# Altium PCB BEE_BOARD.PcbDoc (part 3 of 3)
Units mil, origin at the board's own origin, x right, y up, seen from the top; angles counter-clockwise.
Board outline 2248.55 x 2045.74 mil, 8 copper layers (Top, GND_1, Signal_1, GND_2, PWR, Signal_2, GND_3, Bottom), stack 62.994 mil thick; 173 components, 97 nets, 605 pads, 295 vias.
Unrouted connection lines stored in the file: 10.
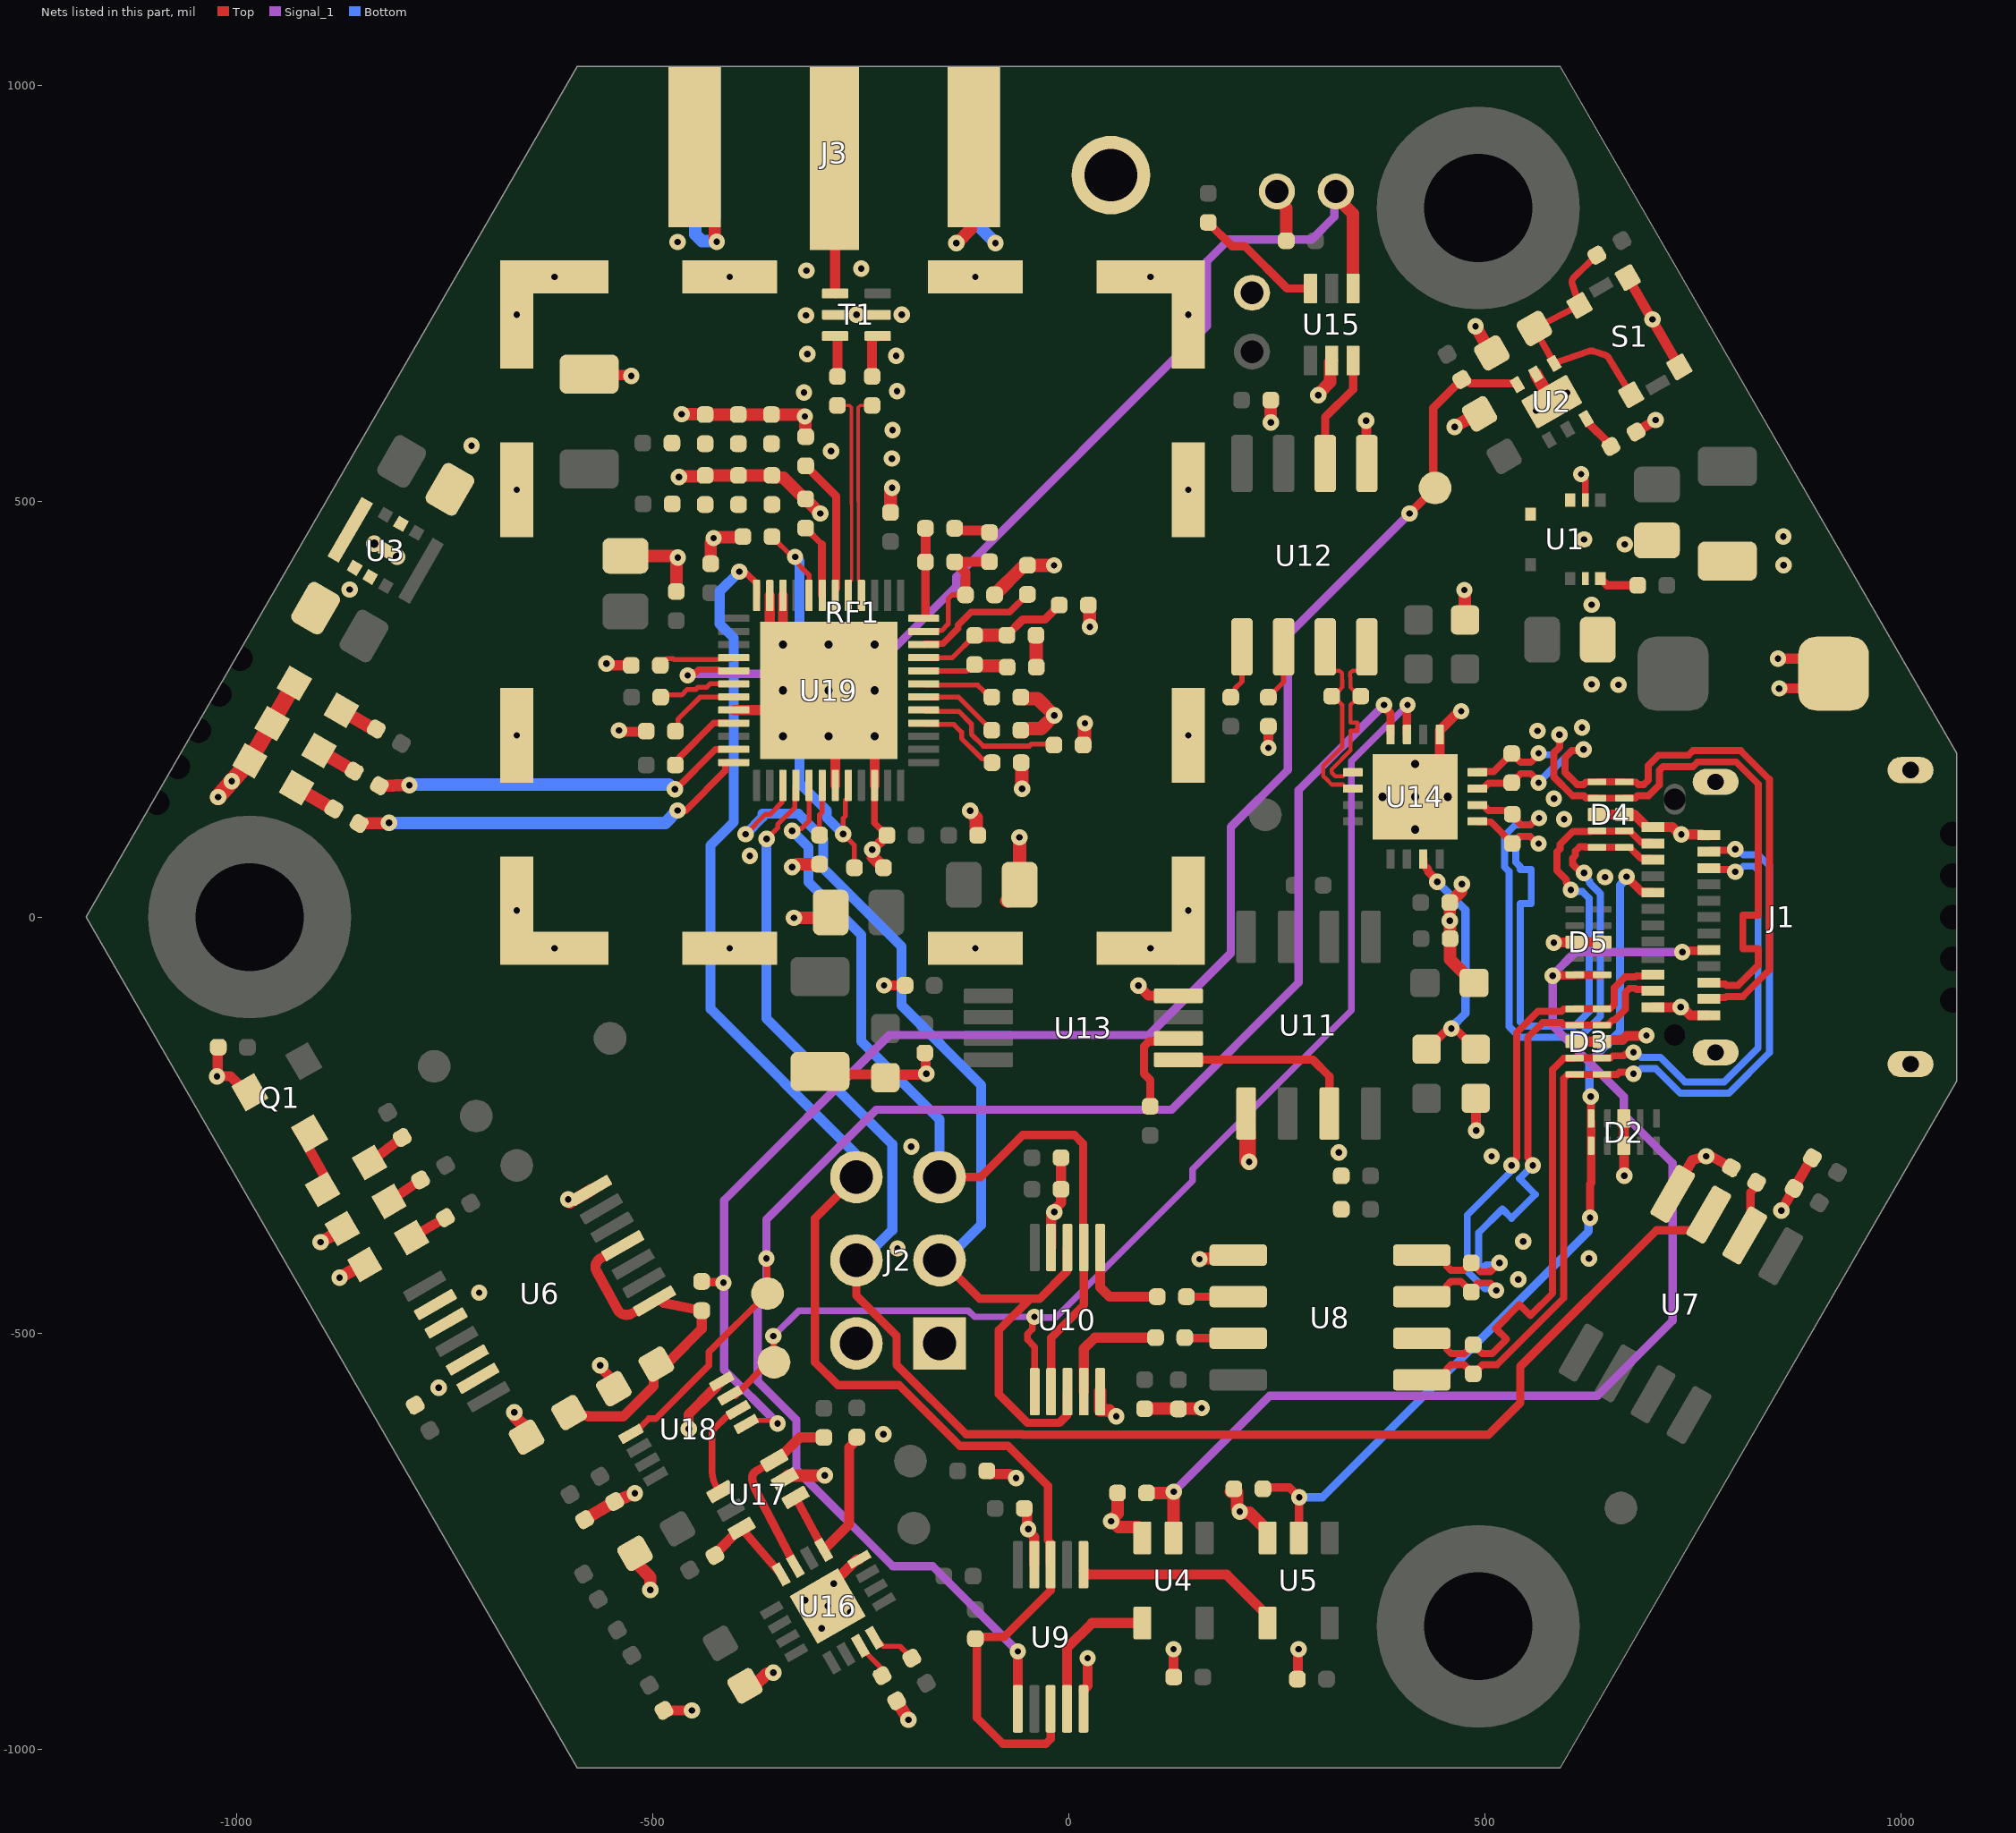
[diagram p9: the nets of this part, all layers, seen from the top]

## Via types
v1: diameter 19.68, hole 7.87, Top to Bottom, tented both sides, 276 vias
v2: diameter 19.68, hole 9.84, Top to Bottom, tented both sides, 16 vias
v3: diameter 19.68, hole 7.87, Top to Bottom, tented top, 3 vias

## Nets (pads, with @x,y where several pads share a name; then routed paths per layer and width w, separated by ;. In a path a pad name is that pad's centre, name@x,y a point inside that pad or via, vN(x,y) a via of type N, cw(c..) or ccw(c..) an arc to the next point about the centre after c; other vN are vias at no path point) (continued)
GND: C1.1 C2.2 C3.1 C4.2 C5.1 C6.1 C7.1 C8.1 C9.1 C10.1 C11.1 C12.2 C13.1 C14.1 C15.1 C16.1 C17.1 C19.2 C20.2 C21.1 C22.1 C23.1 C24.2 C25.1 C26.1 C27.2 C28.1 C29.1 C30.1 C31.2 C32.2 C33.2 C34.1 C35.1 C36.1 C37.1 C38.1 C39.1 C40.1 C41.1 C42.1 C43.1 C44.1 C45.1 C46.1 C47.1 C48.1 C49.1 C50.1 C51.1 C52.1 C53.1 C54.1 C55.1 C56.1 C57.1 C58.1 C61.1 C62.1 C63.1 C64.2 C65.1 C66.1 CLK.1 D1.2 D2.3 D2.8 D3.3 D3.8 D4.3 D4.8 D5.3 D5.8 D6.K D7.K D9.K D10.K D11.K GND.1 J1.1 J1.2 J1.3 J1.4 J1.A1 J1.A12 J1.B1 J1.B12 J2.1 J2.2 J3.2 J3.3 J3.4 J3.5 Q1.2 R3.2 R7.1 R9.2 R12.2 R14.1 R16.1 R20.2 R26.1 R27.2 R31.1 R35.1 RF1.1 S1.1 S1.2 SYNC.1 T1.2 T1.5 U1.2 U1.5 U1.7 U2.5 U2.7 U3.2 U3.5 U3.9 U4.3 U5.3 U6.7 U6.9 U6.10 U6.12 U6.13 U7.4 U8.5 U9.5 U9.9 U10.5 U10.9 U11.5 U12.5 U13.4 U14.5 U14.17 U15.2 U16.12 U16.17 U17.2 U18.4 U19.22 U19.23 U19.32 U19.43 U19.46 U19.49 | length 5862.6
  Top w8: U19.46@-233.3,158.41 -233.3,113.19 C49.1@-218.42,98.31 ; v1(615.95,532.58) 615.95,531.04 620.87,526.11 U1.2@620.87,501.33
  Top w12: R3.2@-1022.07,-156.35 -1022.87,-157.15 -1022.87,-190.54 v1(-1023.67,-191.34) -1007.7,-191.34 -988.45,-210.59 Q1.2@-984.17,-210.59 ; D7.K@-883.21,-374.39 D7.K@-873.06,-374.39 ; C19.2@-651.53,-625.1 C19.2@-651.28,-624.85 ; C36.1@-576.3,652.83 -575.17,651.71 -526.92,651.71 v1(-525.79,650.58) ; v1(-563.24,-538.76) -563.24,-540.84 -546.76,-557.32 C20.2@-546.76,-566.92 ; v1@-556.95,302.66 C64.2@-525.79,302.66 ; v1@-540,222.93 -506.58,222.93 C58.1@-505.87,223.64 ; v1@-539.29,224.48 v1@-538.59,225.19 ; C33.2@-521.21,-764.89 C33.2@-518.98,-767.12 ; R31.1@-486.43,-953.63 v1(-452.94,-953.63) ; v1(-456.78,-615.23) -456.78,-597.6 -428.13,-568.96 -427.31,-568.49 U18.4@-416.99,-558.16 ; U19.32@-402.59,248.96 -312.04,248.96 v2(-288.42,272.59) ; C32.2@-389.11,-924.12 C32.2@-377.77,-924.12 ; v1@-363.06,-909.42 -356.17,-909.42 v1(-355.07,-908.32) ; U19.23@-359.29,386.76 -359.29,343.45 v2(-343.54,327.7) ; U19.22@-343.54,386.76 v2(-343.54,327.7) ; v1(-332.5,60.05) -330.42,60.05 v1@-326.84,63.63 ; v1(-289.57,-828.21) -289.57,-807.26 -254.44,-772.13 U16.12@-251.49,-772.13 ; U19.43@-280.55,158.41 U19.49@-280.55,264.71 ; U19.46@-233.3,158.41 v2(-233.3,217.47) U19.49@-280.55,264.71 ; RF1.1@-138,-45.5 RF1.1@-125.03,-32.53 ; R26.1@-97.9,-664.73 cw(c-99.43,-664.73) R26.1@-98.35,-665.81 -94.62,-669.54 -70.35,-669.54 -65.44,-674.44 v1(-63.36,-674.44) ; C16.1@-53.47,-710.81 -50.13,-714.15 -50.13,-734.1 v1(-48.66,-735.57) -48.66,-737.65 -41.43,-744.88 -41.43,-778.45 U9.9@-41.34,-778.54 ; U10.9@-21.18,-397.27 -21.08,-397.17 -21.08,-358.33 v1(-17.32,-354.57) -17.32,-351.47 -9.21,-343.37 C21.1@-9.21,-289.2 ; U9.5@17.81,-929.23 22.83,-924.21 v1(22.83,-890.73) ; v1(83.72,-82.18) 95.89,-94.35 131.53,-94.35 U13.4@131.81,-94.63 ; v1(98.43,-37.4) 118.12,-37.4 RF1.1@131.81,-51.09 ; v1(125.95,-880.09) 126.08,-880.22 126.08,-913.33 C10.1@126.2,-913.46 ; U8.5@203.31,-406.68 U8.5@203.73,-406.26 ; v1(239.97,203.44) R20.2@239.96,229.39 ; C25.1@242.86,621.61 C25.1@242.91,621.56 ; v1@242.91,594.61 v1(242.95,594.56) ; C9.1@274.89,-916.06 275.65,-915.29 275.65,-880.86 v1(276.42,-880.09) ; v1(357.47,596.92) 357.87,596.53 357.87,545.67 U12.5@358.27,545.28 ; v2(416.34,144.69) 416.34,155.85 445.87,185.38 U14.5@445.87,219.49 445.87,224.22 467.7,246.05 470.29,246.05 v1(471.76,247.52) ; v1(475.49,393.27) v1@475.94,392.82 ; R16.1@475.94,357.7 R16.1@476.38,357.26 ; R14.1@489.18,-217.9 489.48,-218.2 489.48,-256.3 v1(489.78,-256.6) ; C4.2@493.82,605.03 C4.2@497.78,608.99 ; v1(583.09,-30.69) 583.46,-30.33 607.94,-30.33 D5.8@608.3,-29.96 D5.3@641.18,-29.96 ; D3.8@608.11,-149.59 D3.3@640.98,-149.59 642.86,-147.72 665.56,-147.72 670.52,-142.76 693.81,-142.76 v1(694.36,-142.21) ; D4.3@634.91,123.32 D4.8@667.78,123.32 679.62,123.32 694.68,108.27 J1.A12@702.36,108.27 702.46,108.17 725.38,108.17 734.14,99.41 v1(736.22,99.41) 760.62,99.41 761.61,98.42 J1.B1@769.29,98.42 ; C5.1@635.86,333.66 C5.1@638.73,330.8 ; D2.3@667.17,-241.98 D2.8@667.17,-274.86 667.48,-275.16 667.48,-310.68 v1(667.78,-310.99) ; S1.1@671.95,768.86 705.11,711.43 S1.2@733.95,661.46 ; C6.1@681.88,583.3 v1(705.49,597.63) ; J1.A1@702.36,-108.27 737.54,-108.27 747.28,-118.02 769.2,-118.02 J1.B12@769.29,-118.11 ; C3.1@704.8,455.14 C3.1@706.99,452.95 ; U7.4@725.91,-332.61 726.19,-332.53 749.68,-291.85 770.48,-286.28 R7.1@796.42,-301.26 ; J1.1@777.56,-162.6 J1.1@788.97,-162.6 ; C1.1@791.18,428.4 C1.1@791.59,427.98 ; v1(852.56,310.84) 901.19,310.84 D1.2@919.29,292.74 901.46,274.91 v1(853.98,274.91) ; v1(856.35,-352.79) C11.1@871.81,-326.03 891.14,-292.54 C14.1@893.72,-289.41 ; v2(-343.54,327.7) v2(-288.42,272.59) ; v2(-288.42,272.59) U19.49@-280.55,264.71
  Top w12.01: C40.1@-298.87,-185.54 -295.19,-189.23 -216.68,-189.23 -216.64,-189.27 -173.76,-189.27 -172.02,-187.53 -172.02,-164.21 C28.1@-172.92,-163.31 ; C45.1@-292.3,-0.8 C45.1@-285.99,5.51 ; v1(-236.13,81.19) -235.55,81.19 C49.1@-218.42,98.31 ; v1(-221.96,-82.01) C26.1@-196.67,-82.01
  Top w15: v1(-899.24,-390.79) -879.65,-379.47 D7.K@-873.06,-374.39 ; v1(-876.4,-433.48) -853.85,-420.46 D6.K@-845.95,-417.64 ; v1(-666.34,-595.45) -665.45,-596.35 -665.45,-600.73 -651.53,-614.64 C19.2@-651.53,-625.1 ; v1(-601.47,-339.39) -601.47,-340.87 -599.43,-342.91 U6.7@-574.48,-328.46 ; C34.1@-581.8,-724.34 C35.1@-545.74,-702.57 v1(-521.45,-692.74) ; C62.1@-532.74,434.37 -473.49,434.37 -471.64,432.51 C66.1@-471.64,391.53 ; C33.2@-518.98,-767.12 -518.98,-777.57 -502.84,-793.71 v1(-502.84,-808.86) ; v1(-468.61,528.93) -467.56,529.97 -437.94,529.97 C48.1@-436.9,531.02 C51.1@-396.77,531.02 C53.1@-356.65,531.02 -354.15,528.52 -343.06,528.52 -319.74,505.19 -318.69,505.19 -298.69,485.19 v1(-298.47,485.19) ; v1(-465.18,604.63) -464.96,604.41 -437.11,604.41 C42.1@-436.9,604.19 C46.1@-397.06,604.19 C50.1@-357.23,604.19 -320.89,604.19 -318.66,601.96 v1(-317.12,601.96) -316.57,601.42 -316.57,578.16 C52.1@-316.03,577.61 ; J3.3@-449.44,925.89 -449.44,837.99 -448.75,837.3 -425.81,837.3 -425.44,836.93 -425.44,815.64 -422.99,813.19 v1(-422.99,811.92) ; C41.1@-430.25,424.99 -430.25,450.17 -426.76,453.66 v1(-426.76,455.74) -425.9,456.6 -392.52,456.6 C56.1@-391.65,457.47 ; C32.2@-377.77,-924.12 v1@-363.06,-909.42 ; U17.2@-341.1,-675.38 -337.16,-671.44 -293.61,-671.44 v1(-293.3,-671.13) ; v1(-330.31,-0.8) C45.1@-292.3,-0.8 ; v1@-326.84,63.63 C61.1@-299.45,63.63 ; v1(-236.13,81.19) -235.24,80.29 -235.24,72.1 C63.1@-222.51,59.38 ; R27.2@-206.86,-942.16 v1(-192.48,-964.97) ; v1(-135.21,810.22) -134.25,810.22 -117.43,827.04 -117.43,922.46 J3.2@-114,925.89 ; U10.5@37.88,-570.49 37.88,-592.94 37.97,-593.04 48.54,-593.04 55.59,-600.09 v1(57.14,-600.09) ; R12.2@58.57,-692.39 R12.2@58.66,-692.3 58.66,-716.99 50.99,-724.65 v1(50.99,-726.2) 52.54,-726.2 59.72,-733.38 83.72,-733.38 88.55,-738.2 U4.3@88.55,-746.23 ; C13.1@91.2,-590.94 159.16,-590.94 v1(159.84,-590.26) ; v1(157.23,-411.22) 158.13,-410.32 199.66,-410.32 U8.5@203.31,-406.68 ; R9.2@195.06,-690.75 R9.2@198.52,-687.3 202.52,-691.3 202.52,-710.16 205.55,-713.19 v1(205.55,-714.74) 206.65,-715.83 217.47,-715.83 239.02,-737.37 U5.3@239.02,-746.23 ; v1@242.91,594.61 C25.1@242.91,621.56 ; SYNC.1@250.15,872.36 250.15,863.89 261.48,852.57 C31.2@261.48,813.21 ; v1(299.98,627.41) 299.98,628.95 314.29,643.26 314.29,667.29 U15.2@316.16,669.16 ; C30.1@458.13,17.5 471.76,31.13 471.76,38.85 v1(472.66,39.74) ; C30.1@458.29,17.34 458.04,17.09 458.04,-4.25 v1(457.94,-4.34) 458.19,-4.59 458.19,-25.71 C29.1@458.44,-25.97 458.44,-50.91 486.69,-79.16 C27.2@487.19,-79.16 ; v1(463.79,589.46) 484.83,601.61 C4.2@493.82,605.03 ; R16.1@475.94,357.7 v1@475.94,392.82 ; v1(488.9,710.2) 502.9,685.96 C2.2@508.57,678.27 ; U2.5@561.32,652.95 574.42,630.26 U2.7@580.51,619.7
  Top w16: C47.1@-214.07,486.45 -214.07,513.84 -212.18,515.73 v1(-212.18,516.19) ; v1(-118.47,127.83) -118.47,126.83 -111.25,119.61 -111.25,100.31 C43.1@-109.25,98.31 ; C57.1@-89.06,387.39 -55.52,420.93 -51.6,420.93 C44.1@-49.6,422.93 v1(-17.64,422.93) ; C39.1@-74.55,19.51 -72.45,19.51 -58.95,33.01 C39.1@-58.95,39.01 -59.09,39.14 -59.09,95.71 v1(-59.23,95.85) ; C37.1@-57.45,224.62 -55.45,226.62 -33.19,226.62 v1(-17.32,242.5) -37.44,262.62 -55.45,262.62 C38.1@-57.45,264.62 ; C65.1@-57.09,185.72 -56.2,184.84 -56.2,154.68 v1(-55.87,154.35) ; R35.1@17.36,206.91 19.19,208.74 19.19,232.64 v1(19.52,232.97) ; C55.1@23.67,375.13 25.21,373.59 25.21,349.23 v1(25.54,348.9)
  Top w19.68: v1(-1022.38,144.37) -1003.31,166.16 D9.K@-984.22,187.96 -958.15,233.18 D11.K@-930.5,281.15
  Top w20: U11.5@213.32,-236.22 213.32,-257.12 214.54,-257.12 215.13,-257.72 215.13,-292.34 v1(216.94,-294.15)
  Bottom w12: v1@489.17,-255.99 v1(489.78,-256.6)
  Bottom w15: J3.5@-449.44,925.89 -448.75,925.2 -448.75,820.71 -440.86,812.82 -423.88,812.82 v1(-422.99,811.92) ; J3.4@-114,925.89 -112.15,924.04 -112.15,834.6 v1(-88.04,810.42) v1(-88.04,810.42)
  other v1: -296.78,-855.1 -262.68,-835.41 -316.46,-821 -282.37,-801.32 -222.72,-621.75 -757.25,-565.69 -708.61,-451.5 540.17,-435.58 625.3,-410.32 -205.83,-398.26 546.34,-389.97 508.28,-287.45 766.09,-287.45 324.73,-282.76 -189.21,-276 -171.12,-188.17 735.55,-108.27 -618.11,-37.4 -407.48,-37.4 -112.2,-37.4 -663.39,7.87 143.7,7.87 644.77,48 -383.19,73.78 595.37,117.78 583.16,142.61 -1005.91,163.39 -663.39,218.5 143.7,218.5 -540.35,224.48 563.42,223.97 617.01,227.83 660.91,279.3 628.44,279.93 -555.54,304.92 628.38,375.53 -864.25,393.92 859.12,423.11 -469.77,432.2 668.18,448.15 619.49,454.09 858.83,457.63 -663.39,513.78 143.7,513.78 -212.63,551.3 -285.78,560.31 -717.61,566.69 -211.75,585.55 561.76,608.88 -318.15,630.63 599.26,630.53 -206.39,632.48 -207.42,674.96 -314.23,676.81 701.56,718.64 -315.68,723.41 -663.39,724.41 -255.14,724.12 -200.61,724.12 143.7,724.41 -618.11,769.68 -407.48,769.68 -112.2,769.68 98.43,769.68 -315.26,777.23 -249.28,779.71 -470.16,811.71
  other v2: 416.34,105.31 376.97,144.69 455.71,144.69 416.34,184.06 -343.54,217.47 -288.42,217.47 -343.54,272.59 -233.3,272.65 -288.42,327.7 -233.3,327.7 -807.32,433.18 -834.59,448.92
LED_RX: R33.2 U19.36 | length 485.3
  Top w8: v1(-470.17,128.11) -460.45,128.11 -412.41,176.16 -412.41,184.64 -411.08,185.97 U19.36@-402.59,185.97
  Top w15: R33.2@-852.85,112.54 v1(-816.8,113.3)
  Bottom w15: v1(-816.8,113.3) -484.98,113.3 v1(-470.17,128.11)
LED_TX: R32.2 U19.35 | length 448.5
  Top w8: v1(-473.16,153.62) -472.4,153.62 -424.63,201.39 -402.92,201.39 U19.35@-402.59,201.72
  Top w15: R32.2@-828.45,157.97 v1(-792.41,158.73)
  Bottom w15: v1(-792.41,158.73) -791.69,159.45 -480.26,159.45 -474.43,153.62 v1(-473.16,153.62)
NetC2_1: C2.1 R40.1 S1.3 S1.4 U2.4 | length 305.3
  Top w8: 630.64,680.34 ccw(c628.19,672.72) 625.57,680.29 U2.4@583.48,665.74 C2.1@559.67,707.77 S1.3@613.98,735.4 605.36,760.94 cw(c612.94,763.5) 607.37,769.24 R40.1@634.76,795.81 ; 630.65,680.34 644.44,675.88 cw(c642,668.26) 648.82,672.44 S1.4@675.99,628
NetC6_2: C6.2 U2.3 | length 45.8
  Top w6: U2.3@621.87,596.84 U2.3@621.87,599.26 ; C6.2@651.57,565.8 C6.2@651.57,567.14
  Top w10: U2.3@621.87,596.84 C6.2@651.57,567.14
NetC19_1: C19.1 C20.1 R8.1 U6.1 U6.4 | length 430.1
  Top w12: C19.1@-600.44,-595.6 -596.66,-599.37 -578.77,-599.37 -577.93,-600.21 -535.35,-600.21 -498.95,-563.82 -498.95,-540.71 -491.39,-533.14 -479.19,-533.14 -441.08,-495.03 R8.1@-441.08,-472.99 -445.08,-472.16 -445.16,-472.16 -486.66,-463.68 -491.48,-458.86 U6.1@-497.71,-461.43 -527.2,-477.46 -528.92,-477.86 cw(c-531.61,-466.17) -542.16,-471.9 -567.24,-426.15 cw(c-556.72,-420.38) -562.97,-410.14 U6.4@-555.92,-405.83
NetC56_2: C56.2 C63.2 U19.20 U19.44 | length 559.5
  Top w6: C56.2@-356.65,457.47 -332.3,433.12 v1(-328.81,433.12) -330.68,433.12 -332.25,431.55 -312.04,411.34 U19.20@-312.04,386.76 ; U19.44@-264.8,158.41 -264.8,144.04 -268.2,140.64 -268.2,121.75 -270.97,118.98 v1(-270.97,99.91) -257.51,86.45 C63.2@-257.51,59.38
  Bottom w12: v1(-328.81,433.12) -323.7,428.01 -323.7,160.95 -290.74,128 -290.74,119.68 v1(-270.97,99.91)
NetC58_2: C58.2 U19.31 | length 92.8
  Top w6: C58.2@-470.87,223.64 -469.59,224.91 -469.59,237.71 -442.82,264.48 -430.03,264.48 -429.8,264.71 U19.31@-402.59,264.71
NetC59_1: C59.1 T1.4 | length 55.1
  Top w12: C59.1@-236.26,650.11 -236.26,698.43 -236.16,698.53 T1.4@-229.55,698.53
NetC60_1: C60.1 T1.3 | length 51.2
  Top w12: T1.3@-280.74,698.53 -278.01,698.53 -277.91,698.43 C60.1@-277.91,650.11
NetC61_2: C61.2 U19.42 | length 61.1
  Top w6: C61.2@-299.45,98.63 -299.45,123.14 -296.29,126.3 U19.42@-296.29,158.41
NetC64_1: C64.1 U19.28 | length 93
  Top w6: C64.1@-490.79,302.66 -482.88,310.58 -475.69,310.58 -474.6,309.49 -405.06,309.49 U19.28@-402.59,311.96
NetC65_2: C65.2 U19.4 | length 105.3
  Top w6: U19.4@-173.36,232.97 -172.03,231.64 -138,231.64 -128.8,222.44 -128.8,214.8 -107.63,193.62 -104.52,190.51 -96.87,190.51 C65.2@-92.09,185.72
NetC67_2: C67.2 R37.2 U19.12 | length 109.1
  Top w6: U19.12@-173.36,358.95 U19.12@-172.08,360.24
  Top w10: U19.12@-172.08,360.24 C67.2@-172.08,427.11
  Top w12: C67.2@-172.08,427.11 R37.2@-172.08,467.47
NetC68_2: C68.2 R36.2 | length 38.5
  Top w6: C68.2@-39.24,338.89 C68.2@-39.09,338.74 ; R36.2@-39.09,300.73 R36.2@-38.93,300.57
  Top w16: R36.2@-39.09,300.73 C68.2@-39.09,338.74
NetC69_1: C69.1 R36.1 U19.8 | length 104
  Top w6: U19.8@-173.36,295.96 -122.42,295.96 -114.65,303.74 C69.1@-113.02,303.74 C69.1@-111.44,302.15 ; R36.1@-75.51,302.15 R36.1@-73.93,300.57
  Top w16: C69.1@-111.44,302.15 R36.1@-75.51,302.15
NetC70_2: C70.2 R37.1 | length 43.9
  Top w6: R37.1@-137.08,467.47 R37.1@-134.5,464.9 ; C70.2@-97.88,464.9 C70.2@-95.31,462.32
  Top w12: R37.1@-134.5,464.9 C70.2@-97.88,464.9
NetD6_A: D6.A R1.1 | length 47.1
  Top w12: D6.A@-789.7,-385.16 R1.1@-749.12,-361.31
NetD7_A: D7.A R2.1 | length 45.8
  Top w12: D7.A@-816.8,-341.91 R2.1@-779.1,-315.93
NetD8_A: D8.A R4.2 | length 49.5
  Top w12: D8.A@-840.36,-294.99 R4.2@-801.08,-264.93
NetD8_K: D8.K Q1.3 | length 73.8
  Top w12: Q1.3@-912.41,-260.08 -915,-275.1 -893.05,-314.15 D8.K@-896.62,-327.47
NetD9_A: D9.A R33.1 | length 49.1
  Top w16: D9.A@-926.26,154.5 R33.1@-883.89,129.7
NetD10_A: D10.A R32.1 | length 49.1
  Top w16: D10.A@-901.13,200.26 R32.1@-858.76,175.47
NetD11_A: D11.A R34.1 | length 49.1
  Top w16: D11.A@-874.24,248.67 R34.1@-831.87,223.88
NetJ3_1: J3.1 T1.1 | length 162.8
  Top w12: J3.1@-281.72,912.11 -280.74,911.12 T1.1@-280.74,749.71
NetR7_2: R7.2 U7.2 | length 69.7
  Top w10: U7.2@812.51,-382.61 819.55,-375.57 819.55,-330.65 826.73,-323.47 R7.2@826.73,-318.76
NetR10_1: R10.1 U10.4 | length 143.5
  Top w12: U10.4@18.19,-570.49 18.19,-518.71 31.37,-505.53 R10.1@104.46,-505.53
NetR10_2: R10.2 U8.7 | length 64.6
  Top w6: R10.2@139.46,-505.53 R10.2@139.82,-505.9 ; U8.7@203.37,-505.9 U8.7@203.73,-506.26
  Top w10: R10.2@139.82,-505.9 U8.7@203.37,-505.9
NetR11_1: R11.1 U10.6 | length 121
  Top w12: U10.6@37.88,-397.27 37.88,-444.91 49.22,-456.26 R11.1@106.49,-456.26
NetR11_2: R11.2 U8.6 | length 62.2
  Top w10: R11.2@141.49,-456.26 U8.6@203.73,-456.26
NetR19_1: R19.1 U12.1 | length 66
  Top w6: R19.1@194.79,264.4 199.94,269.55 199.94,274.91 208.27,283.23 U12.1@208.27,324.8
NetR20_1: R20.1 U12.2 | length 68
  Top w6: R20.1@239.96,264.39 258.27,282.7 U12.2@258.27,324.8
NetR23_1: R23.1 U13.2 | length 120.3
  Top w10: R23.1@97.95,-227.36 97.95,-195.87 90.47,-188.39 90.47,-155.52 96.33,-149.67 127.95,-149.67 U13.2@131.81,-145.81
NetR24_1: R24.1 U15.6 | length 155.7
  Top w10: R24.1@167.77,835.18 196.48,806.47 211.89,806.47 262.58,755.78 U15.6@290.57,755.78
NetR27_1: R27.1 U16.7 | length 46.6
  Top w6: U16.7@-250.54,-876.14 -250.54,-877.45 -226.97,-901.02 -226.97,-909.24 R27.1@-224.36,-911.85
NetR28_1: R28.1 U16.8 | length 55
  Top w6: U16.8@-233.49,-866.29 -232.99,-866.29 -222.72,-876.56 -202.79,-876.56 R28.1@-188.62,-890.73
NetR35_2: R35.2 U19.5 | length 182.1
  Top w6: U19.5@-173.36,248.72 -172.03,247.38 -132.18,247.38 -116.8,232.01 -116.8,219.77 -102.66,205.62 -47.24,205.62 -44.97,207.89 -18.63,207.89 R35.2@-17.64,206.91
NetR38_2: R38.2 U19.30 | length 94.3
  Top w6: R38.2@-490.24,264.46 -487.56,267.14 -465.13,267.14 -458.43,273.84 -448.04,273.84 -445.4,276.48 -435,276.48 -431.02,280.46 U19.30@-402.59,280.46
NetR39_2: R39.2 U19.33 | length 93.5
  Top w8: R39.2@-472.74,182.96 -467.97,187.73 -467.97,192 -426.76,233.22 U19.33@-402.59,233.22
NetR43_1: R43.1 U1.6 | length 48.9
  Top w10: U1.6@639.09,406.84 639.09,405.37 640.48,403.97 641.96,403.97 646.98,398.94 R43.1@683.81,398.94
NetU1_3: U1.3 U1.8
NetU3_1: U3.1 U3.7
NetU4_4: U4.4 U9.4 | length 176.2
  Top w12: U9.4@-1.97,-951.77 -1.97,-878.45 27.88,-848.6 U4.4@88.55,-848.6
NetU5_4: U5.4 U9.6 | length 252
  Top w12: U9.6@18.19,-785.75 22.83,-790.39 189.67,-790.39 239.02,-839.74 U5.4@239.02,-848.6
NetU11_7: U11.7 U13.1 | length 234.6
  Top w10: U13.1@131.81,-171.4 293.34,-171.4 313.32,-191.38 U11.7@313.32,-236.22
OUT1: R44.1 U16.16 U17.6 | length 119.2
  Top w10: U17.6@-393.08,-734.94 U16.16@-345.66,-790.12
  Top w12: R44.1@-425.16,-767.34 -425.16,-765.74 -394.36,-734.94 U17.6@-393.08,-734.94